# KiCad board AI_Pyramid_PCB_HDMI_V0.3_20251031.kicad_pcb
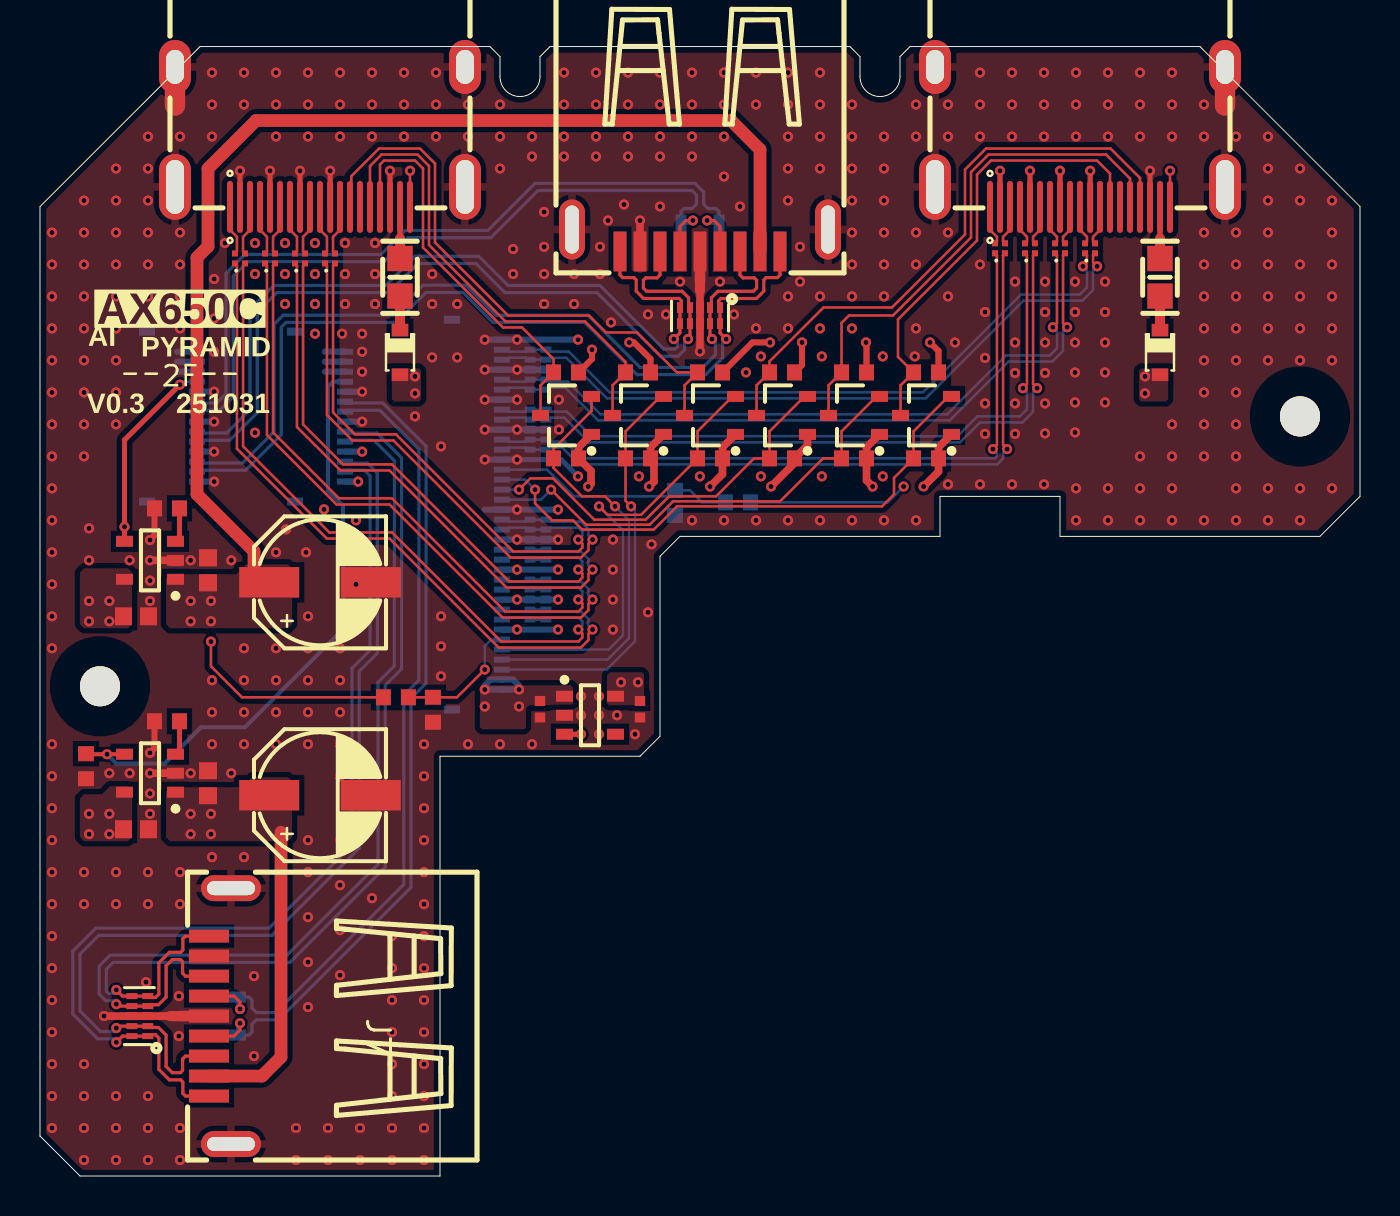
[diagram p0: board, top side]
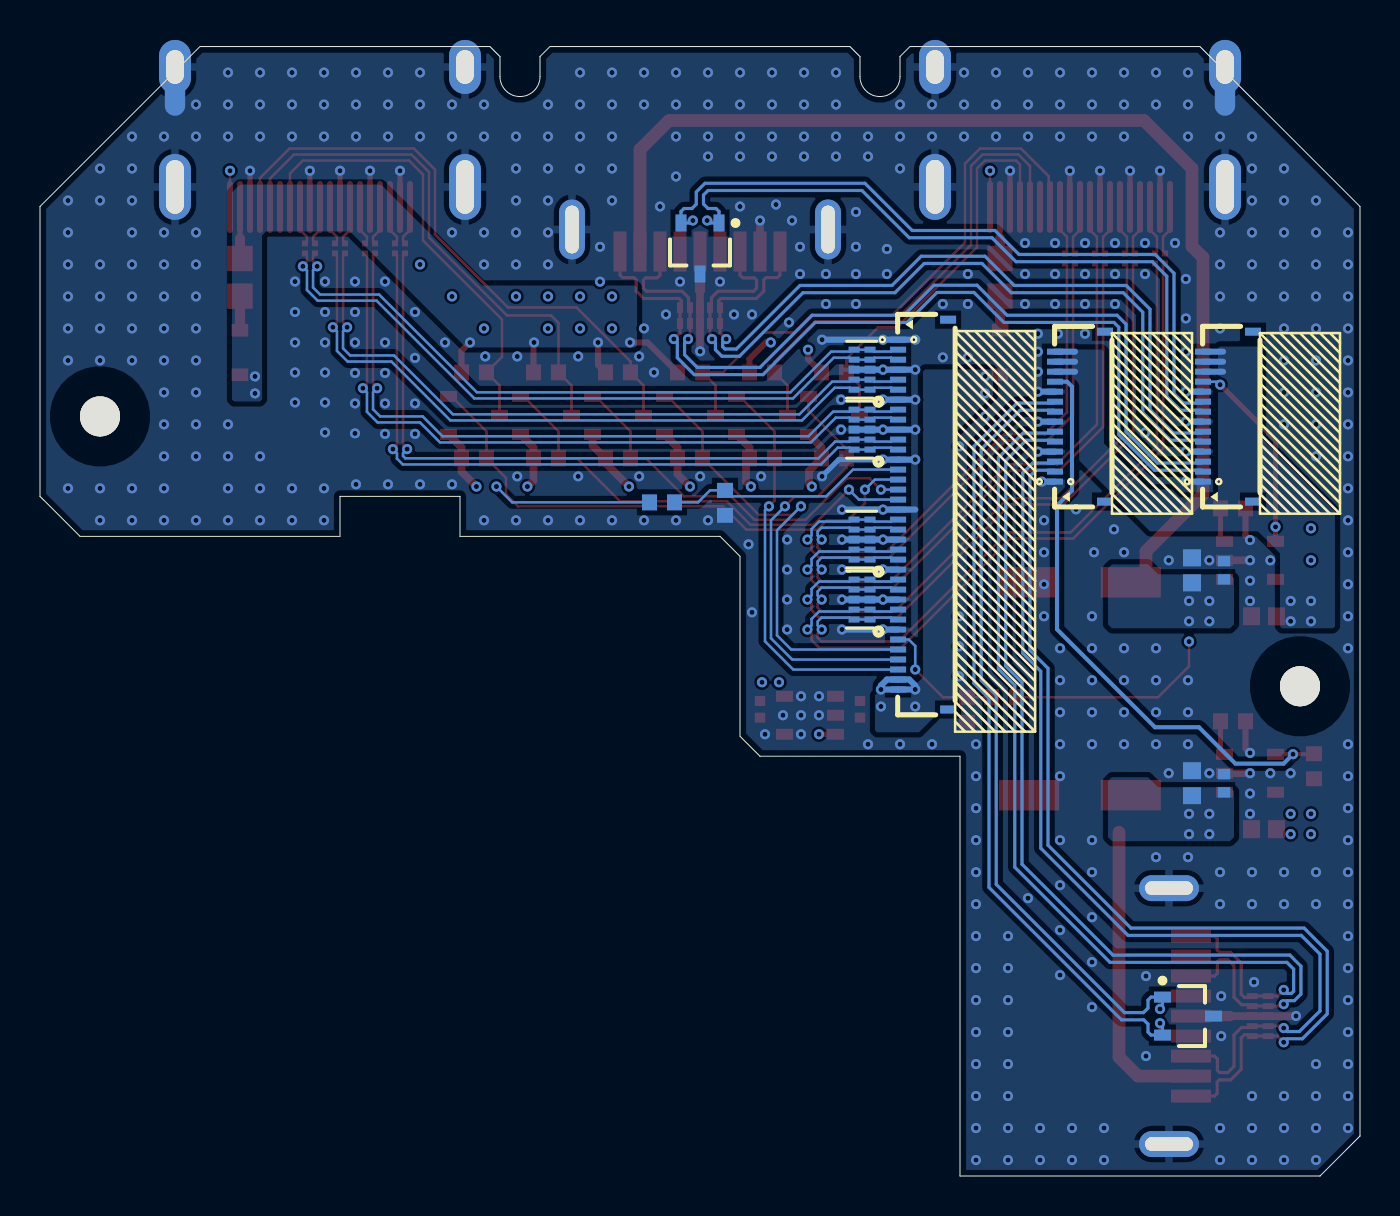
[diagram p1: board, bottom side, seen from below]

Outline 66 x 56.5 mm; copper layers: Top Layer, Layer 2, Layer 1, Bottom Layer. Coordinates in mm from the lower left corner of the outline.
Outline path: 0,48.5 8,56.5 22.5,56.5 23,56 23,55 arc(24,54) 25,55 25,56 25.5,56.5 40.5,56.5 41,56 41,55 arc(42,54) 43,55 43,56 43.5,56.5 58,56.5 66,48.5 66,34 64,32 51,32 51,34 45,34 45,32 32,32 31,31 31,22 30,21 20,21 20,0 2,0 0,2 0,48.5

## Placement (name value [footprint] x y rotation side)
C1  22uF/10V  [C0603-L-HD]  4.8 28 180 top
C2  10uF/10V  [C0402-L-HD]  6.8 30.3 90 bottom
C3  22uF 6.3V  [C0603-L-HD]  8.4 30.3 270 bottom
C4  22uF 6.3V  [C0603-L-HD]  8.4 30.3 270 top
C5  HV1C227M0607PZ/220uF/16V  [SMT_C_CYLINDER_D_6.3MM]  14 29.7 0 top
C6  1uF/25V  [C0402-HD]  25 23.35 90 top
C7  1uF/25V  [C0402-HD]  30 23.35 90 top
C8  22uF/10V  [C0603-L-HD]  4.8 17.35 180 top
C9  10uF/10V  [C0402-L-HD]  6.8 19.65 90 bottom
C10  22uF 6.3V  [C0603-L-HD]  8.4 19.65 270 top
C11  22uF 6.3V  [C0603-L-HD]  8.4 19.65 270 bottom
C12  HV1C227M0607PZ/220uF/16V  [SMT_C_CYLINDER_D_6.3MM]  14 19.05 0 top
D1  1N5819  [SMT_DIODE_SOD_323]  56 41.2 90 top
D2  1N5819  [SMT_DIODE_SOD_323]  18 41.2 90 top
F1  100mA/6V/PPTC  [SMT_FUSE_0805]  56 44.96 90 top
F2  100mA/6V/PPTC  [SMT_FUSE_0805]  18 44.96 90 top
FET1  WNM4153  [SOT-233-HD]  40.7 38.05 180 top
FET2  WNM4153  [SOT-233-HD]  44.3 38.05 180 top
FET3  WNM4153  [SOT-233-HD]  29.9 38.05 180 top
FET4  WNM4153  [SOT-233-HD]  37.1 38.05 180 top
FET5  WNM4153  [SOT-233-HD]  33.5 38.05 180 top
FET6  WNM4153  [SOT-233-HD]  26.3 38.05 180 top
J1  FH34RH-14S-0.5SH_14P/XKB_X05A10H14T  [FH34RH-14S-0.5SH_14P]  6.6 37.99 180 bottom
J2  USB3.0_TypeA_SMD  [USB-3.0-SMD_U-A-39DS-Y-1]  33 52.41 0 top
J3  HDMI_TYPE_A  [CON_HDMI_A_SMD]  52 51.98 0 top
J4  HDMI_TYPE_A  [CON_HDMI_A_SMD]  14 51.98 0 top
J5  FH34RJ-36S-0.5SH_36P/XKB_X05A10H36T  [FH34RJ-36S-0.5SH_36P]  21.55 37.56 180 bottom
J6  FH34RH-14S-0.5SH_14P/XKB_X05A10H14T  [FH34RH-14S-0.5SH_14P]  14 37.99 180 bottom
J7  USB3.0_TypeA_SMD  [USB-3.0-SMD_U-A-39DS-Y-1]  14.61 8 270 top
L1  SDMM0806H-2-900T  [SDMM0806]  48 46.41 90 top
L2  SDMM0806H-2-900T  [SDMM0806]  10 45.9 90 top
L3  SDMM0806H-2-900T  [SDMM0806]  49.5 46.41 90 top
L4  SDMM0806H-2-900T  [SDMM0806]  11.5 45.9 90 top
L5  SDMM0806H-2-900T  [SDMM0806]  51 46.41 90 top
L6  SDMM0806H-2-900T  [SDMM0806]  13 45.9 90 top
L7  SDMM0806H-2-900T  [SDMM0806]  52.5 46.41 90 top
L8  SDMM0806H-2-900T  [SDMM0806]  14.5 45.9 90 top
NOREF  -  [unnamed]  63 38 0 top
NOREF#2  -  [unnamed]  3 24.5 0 top
R1  120K/1%  [R0603-HD]  6.35 33.4 180 top
R2  4.7K/1%  [R0603-HD]  34.9 33.7 180 bottom
R3  4.7K/1%  [R0603-HD]  17.8 23.95 0 top
R4  100K/1%  [R0603-HD]  31.75 33.67 90 bottom
R5  100K/1%  [R0603-HD]  19.65 23.32 90 top
R6  1.5K/1%  [R0603-HD]  40.7 35.9 180 top
R7  1.5K/1%  [R0603-HD]  40.7 40.2 180 top
R8  1.5K/1%  [R0603-HD]  44.3 35.9 180 top
R9  1.5K/1%  [R0603-HD]  44.3 40.2 180 top
R10  1.5K/1%  [R0603-HD]  29.9 35.9 180 top
R11  1.5K/1%  [R0603-HD]  29.9 40.2 180 top
R12  1.5K/1%  [R0603-HD]  37.1 35.9 180 top
R13  1.5K/1%  [R0603-HD]  37.1 40.2 180 top
R14  1.5K/1%  [R0603-HD]  33.5 35.9 180 top
R15  1.5K/1%  [R0603-HD]  33.5 40.2 180 top
R16  1.5K/1%  [R0603-HD]  26.3 35.9 180 top
R17  1.5K/1%  [R0603-HD]  26.3 40.2 180 top
R18  120K/1%  [R0603-HD]  6.35 22.75 180 top
R19  100k  [R0603-HD]  2.3 20.5 90 top
U1  ME1502CM5G  [SOT-235-HD]  5.5 30.8 180 top
U2  PESDALC10N5VU  [R-PSON-N10]  34 42.65 180 top
U3  PESD2ETH  [SOT-233-HD]  33 46.4 270 bottom
U4  ME6211C33M5G-N  [SOT-235-HD]  27.5 23.05 0 top
U5  PESDALC10N5VU  [R-PSON-N10]  25.3 27.84 90 bottom
U6  PESDALC10N5VU  [R-PSON-N10]  25.3 36.34 90 bottom
U7  PESDALC10N5VU  [R-PSON-N10]  25.3 39.34 90 bottom
U8  PESDALC10N5VU  [R-PSON-N10]  25.3 30.84 90 bottom
U9  PESD2ETH  [SOT-233-HD]  8.6 8 180 bottom
U10  PESDALC10N5VU  [R-PSON-N10]  4.59 7 90 top
U11  ME1502CM5G  [SOT-235-HD]  5.5 20.15 180 top

## Footprints (pads in the part's own frame, mm; a bottom-side part is the same pattern mirrored in y, then rotated)
C0402-HD
  rect 0.5x0.52 smd: 1(-0.415,0) 2(0.415,0)
C0402-L-HD
  rect 0.52x0.62 smd: 1(-0.455,0) 2(0.455,0)
C0603-L-HD
  rect 0.85x0.9 smd: 1(-0.625,0) 2(0.625,0)
CON_HDMI_A_SMD
  oval 1.6x2.7 hole 0.9x1.7: 0(-7.25,3.5) 0(7.25,3.5)
  oval 1.6x3.3 hole 0.9x2.7: 0(-7.25,-2.5) 0(7.25,-2.5)
  oval 0.3x2.6 smd: 1(-4.5,-3.5) 2(-4,-3.5) 3(-3.5,-3.5) 4(-3,-3.5) 5(-2.5,-3.5) 6(-2,-3.5) 7(-1.5,-3.5) 8(-1,-3.5) 9(-0.5,-3.5) 10(0,-3.5) 11(0.508,-3.5) 12(1,-3.5) 13(1.5,-3.5) 14(2,-3.5) 15(2.5,-3.5) 16(3,-3.5) 17(3.5,-3.5) 18(4,-3.5) 19(4.5,-3.5)
FH34RH-14S-0.5SH_14P
  rect 0.8x0.3 smd: 1(-1.25,-3.25) 2(-1.25,-2.75) 3(-1.25,-2.25) 4(-1.25,-1.75) 5(-1.25,-1.25) 6(-1.25,-0.75) 7(-1.25,-0.25) 8(-1.25,0.25) 9(-1.25,0.75) 10(-1.25,1.25) 11(-1.25,1.75) 12(-1.25,2.25) 13(-1.25,2.75) 14(-1.25,3.25)
  rect 0.8x0.4 smd: 15(1.25,-4.25) 16(1.25,4.25)
FH34RJ-36S-0.5SH_36P
  rect 0.8x0.4 smd: 0(0.95,5.275) 0(0.95,-14.225)
  rect 0.8x0.3 smd: 1(-1.55,4.275) 2(-1.55,3.775) 3(-1.55,3.275) 4(-1.55,2.775) 5(-1.55,2.275) 6(-1.55,1.775) 7(-1.55,1.275) 8(-1.55,0.775) 9(-1.55,0.275) 10(-1.55,-0.225) 11(-1.55,-0.725) 12(-1.55,-1.225) 13(-1.55,-1.725) 14(-1.55,-2.225) 15(-1.55,-2.725) 16(-1.55,-3.225) 17(-1.55,-3.725) 18(-1.55,-4.225) 19(-1.55,-4.725) 20(-1.55,-5.225) 21(-1.55,-5.725) 22(-1.55,-6.225) 23(-1.55,-6.725) 24(-1.55,-7.225) 25(-1.55,-7.725) 26(-1.55,-8.225) 27(-1.55,-8.725) 28(-1.55,-9.225) 29(-1.55,-9.725) 30(-1.55,-10.225) 31(-1.55,-10.725) 32(-1.55,-11.225) 33(-1.55,-11.725) 34(-1.55,-12.225) 35(-1.55,-12.725) 36(-1.55,-13.225)
R0603-HD
  rect 0.75x0.8 smd: 1(-0.625,0) 2(0.625,0)
R-PSON-N10
  rect 0.3x0.55 smd: 1(0,-0.797) 2(0.5,-0.797) 4(1.5,-0.797) 5(2,-0.797) 6(2,0) 7(1.5,0) 9(0.5,0) 10(0,0)
  rect 0.4x0.55 smd: 3(1,-0.797) 8(1,0)
SDMM0806
  rect 0.3x0.3 smd: 1(-0.25,0.25) 2(-0.25,-0.25) 3(0.25,-0.25) 4(0.25,0.25)
SMT_C_CYLINDER_D_6.3MM
  rect 3x1.524 smd: 1(-2.54,0) 2(2.54,0)
SMT_DIODE_SOD_323
  rect 0.63x0.83 smd: 1(-1.115,0) 2(1.115,0)
SMT_FUSE_0805
  rect 1.27x1.27 smd: 1(-0.94,0) 2(0.94,0)
SOT-233-HD
  rect 0.85x0.55 smd: 1(-1.275,0.95) 2(-1.275,-0.95) 3(1.275,0)
SOT-235-HD
  rect 0.85x0.55 smd: 1(-1.275,0.95) 2(-1.275,0) 3(-1.275,-0.95) 4(1.275,-0.95) 5(1.275,0.95)
unnamed
  round 2 hole 2: 0(0,0)
USB-3.0-SMD_U-A-39DS-Y-1
  rect 0.65x2 smd: 1(3,-6.165) 2(1,-6.165) 3(-1,-6.165) 4(-3,-6.165) 5(-4,-6.165) 6(-2,-6.165) 7(0,-6.165) 8(2,-6.165) 9(4,-6.165)
  oval 1.3x3 hole 0.7x2.4: 10(-6.4,-5.065) 11(6.4,-5.065)

## Nets
GND: C1.1 C2.2 C3.1 C4.1 C5.2 C6.1 C7.1 C8.1 C9.2 C10.1 C11.1 C12.2 J1.1 J1.4 J1.7 J1.10 J2.4 J2.7 J2.10 J2.11 J3.0 J3.2 J3.5 J3.8 J3.11 J3.17 J4.0 J4.2 J4.5 J4.8 J4.11 J4.17 J5.1 J5.4 J5.7 J5.10 J5.13 J5.18 J5.21 J5.24 J5.27 J5.30 J6.1 J6.4 J6.7 J6.10 J7.4 J7.7 J7.10 J7.11 R1.2 R4.1 R5.1 R18.2 R19.1 U1.2 U2.3 U2.8 U3.3 U4.2 U5.3 U5.8 U6.3 U6.8 U7.3 U7.8 U8.3 U8.8 U9.3 U10.3 U10.8 U11.2
VDD_3V3: C7.2 FET1.1 FET2.1 FET3.1 FET4.1 FET5.1 FET6.1 R6.1 R8.1 R10.1 R12.1 R14.1 R16.1 U4.5
VDD_5V: C6.2 D1.1 D2.1 J5.35 J5.36 R7.1 R9.1 R11.1 R13.1 R15.1 R17.1 U4.1 U4.3
VDD_EXT_5V: C1.2 C8.2 J1.12 J1.13 J1.14 J6.12 J6.13 J6.14 U1.5 U11.5
DS3_PWR_EN: J1.11 U1.4
DS4_PWR_EN: J6.11 R19.2 U11.4
HDMI0_5V: F1.2 J3.18
HDMI0_CEC: FET2.2 J5.15 R8.2
HDMI0_CEC_EXT: FET2.3 J3.13 R9.2
HDMI0_CLK_E_N: J3.12 L7.3
HDMI0_CLK_E_P: J3.10 L7.4
HDMI0_CLK_N: J5.3 L7.2 U7.4 U7.7
HDMI0_CLK_P: J5.2 L7.1 U7.5 U7.6
HDMI0_D0_E_N: J3.9 L5.3
HDMI0_D0_E_P: J3.7 L5.4
HDMI0_D0_N: J5.6 L5.2 U7.1 U7.10
HDMI0_D0_P: J5.5 L5.1 U7.2 U7.9
HDMI0_D1_E_N: J3.6 L3.3
HDMI0_D1_E_P: J3.4 L3.4
HDMI0_D1_N: J5.9 L3.2 U6.4 U6.7
HDMI0_D1_P: J5.8 L3.1 U6.5 U6.6
HDMI0_D2_E_N: J3.3 L1.3
HDMI0_D2_E_P: J3.1 L1.4
HDMI0_D2_N: J5.12 L1.2 U6.1 U6.10
HDMI0_D2_P: J5.11 L1.1 U6.2 U6.9
HDMI0_HPD: J5.14 R2.2 R4.2
HDMI0_HPD_EXT: J3.19 R2.1
HDMI0_SCL: FET1.2 J5.17 R6.2
HDMI0_SCL_EXT: FET1.3 J3.15 R7.2
HDMI0_SDA: FET4.2 J5.16 R12.2
HDMI0_SDA_EXT: FET4.3 J3.16 R13.2
HDMI1_5V: F2.2 J4.18
HDMI1_CEC: FET5.2 J5.32 R14.2
HDMI1_CEC_EXT: FET5.3 J4.13 R15.2
HDMI1_CLK_E_N: J4.12 L8.3
HDMI1_CLK_E_P: J4.10 L8.4
HDMI1_CLK_N: J5.20 L8.2 U8.4 U8.7
HDMI1_CLK_P: J5.19 L8.1 U8.5 U8.6
HDMI1_D0_E_N: J4.9 L6.3
HDMI1_D0_E_P: J4.7 L6.4
HDMI1_D0_N: J5.23 L6.2 U8.1 U8.10
HDMI1_D0_P: J5.22 L6.1 U8.2 U8.9
HDMI1_D1_E_N: J4.6 L4.3
HDMI1_D1_E_P: J4.4 L4.4
HDMI1_D1_N: J5.26 L4.2 U5.4 U5.7
HDMI1_D1_P: J5.25 L4.1 U5.5 U5.6
HDMI1_D2_E_N: J4.3 L2.3
HDMI1_D2_E_P: J4.1 L2.4
HDMI1_D2_N: J5.29 L2.2 U5.1 U5.10
HDMI1_D2_P: J5.28 L2.1 U5.2 U5.9
HDMI1_HPD: J5.31 R3.2 R5.2
HDMI1_HPD_EXT: J4.19 R3.1
HDMI1_SCL: FET3.2 J5.34 R10.2
HDMI1_SCL_EXT: FET3.3 J4.15 R11.2
HDMI1_SDA: FET6.2 J5.33 R16.2
HDMI1_SDA_EXT: FET6.3 J4.16 R17.2
NetD1_2: D1.2 F1.1
NetD2_2: D2.2 F2.1
NetR1_1: R1.1 U1.3
NetR18_1: R18.1 U11.3
USB2_DS3_D0_N: J1.9 J2.2 U3.2
USB2_DS3_D0_P: J1.8 J2.3 U3.1
USB2_DS4_D0_N: J6.9 J7.2 U9.2
USB2_DS4_D0_P: J6.8 J7.3 U9.1
USB3_DS3_RX_N: J1.6 J2.5 U2.5 U2.6
USB3_DS3_RX_P: J1.5 J2.6 U2.4 U2.7
USB3_DS3_TX_N: J1.3 J2.8 U2.2 U2.9
USB3_DS3_TX_P: J1.2 J2.9 U2.1 U2.10
USB3_DS4_RX_N: J6.6 J7.5 U10.5 U10.6
USB3_DS4_RX_P: J6.5 J7.6 U10.4 U10.7
USB3_DS4_TX_N: J6.3 J7.8 U10.2 U10.9
USB3_DS4_TX_P: J6.2 J7.9 U10.1 U10.10
VUSB_DS3: C2.1 C3.2 C4.2 C5.1 J2.1 U1.1
VUSB_DS4: C9.1 C10.2 C11.2 C12.1 J7.1 U11.1

Pads without a net: J1 15 16; J3 14; J4 14; J5 0; J6 15 16; NOREF 0; NOREF#2 0; U4 4

## Via types
v1: diameter 0.508, hole 0.254, Top Layer to Bottom Layer, 587 vias

## Routing (per net, layer and track width the routed paths; a pad name or vN(x,y) marks a point on that pad's centre or on a via; arc(x,y) is an arc through that point)
GND: length 90.2
  Top Layer w0.254: J3.2 v1(48,50.29) ; J3.11 v1(52.51,50.29) ; J3.17 v1(55.5,50.29) ; J3.8 v1(51,50.29) ; J4.17 v1(17.5,50.29) ; J4.5 v1(11.5,50.29) ; J4.11 v1(14.51,50.29) ; J3.5 v1(49.5,50.29) ; J4.2 v1(10,50.29) ; J4.8 v1(13,50.29)
  Top Layer w0.305: v1(5.5,21.17) 5.73,21.39 R18.2 ; v1(5.5,31.82) 5.73,32.04 R1.2
  Top Layer w0.381: v1(5.5,30.8) U1.2 ; v1(5.5,20.15) U11.2 ; 33,41.25 U2.8 33,44.3 ; J2.4 v1(30,47.8) ; 3.2,8 U10.8 U10.3 6.5,8
  Top Layer w0.508: 33,44.3 J2.7 ; 6.5,8 J7.7
  Top Layer w1.016: 6.75,53.55 J4.0 ; 59.25,53.55 J3.0
  Layer 2 w1.016: 59.25,53.55 J3.0 ; 6.75,53.55 J4.0
  Layer 1 w1.016: 6.75,53.55 J4.0 ; 59.25,53.55 J3.0
  Bottom Layer w0.254: v1(26.9,35) 26.06,35.84 v1(23.85,35.84)
  Bottom Layer w0.305: J1.10 v1(8.71,39.24) ; J6.7 v1(16.11,37.74) ; 22.24,33.34 J5.18 v1(23.85,33.34) v1(25.9,33.34) ; J1.1 v1(8.71,34.74) ; v1(22.24,37.34) v1(23.85,37.34) U6.3 U6.8 ; v1(22.24,35.84) J5.13 v1(23.85,35.84) ; v1(22.24,40.34) J5.4 v1(23.85,40.34) U7.3 U7.8 ; v1(25.9,27.34) v1(23.85,27.34) J5.30 ; v1(25.9,30.34) v1(23.85,30.34) J5.24 ; J1.4 v1(8.71,36.24) ; J5.27 v1(23.85,28.84) U5.3 U5.8 v1(25.9,28.84) ; J6.4 v1(16.11,36.24) ; v1(22.24,41.84) J5.1 v1(23.85,41.84) v1(26.9,41.84) ; J5.21 v1(23.85,31.84) U8.3 U8.8 v1(25.9,31.84) ; v1(22.24,38.84) J5.7 v1(23.85,38.84) ; J6.1 v1(15.91,34.74) ; J6.10 v1(16.11,39.24) ; J1.7 v1(8.71,37.74)
  Bottom Layer w1.016: 59.25,53.55 J3.0 ; 6.75,53.55 J4.0
  vias: v1(0.6,47.2) v1(0.6,45.6) v1(0.6,44) v1(0.6,42.4) v1(0.6,40.8) v1(0.6,39.2) v1(0.6,37.6) v1(0.6,36) v1(0.6,34.4) v1(0.6,32.8) v1(0.6,31.2) v1(0.6,29.6) v1(0.6,28) v1(0.6,26.4) v1(0.6,21.6) v1(0.6,20) v1(0.6,18.4) v1(0.6,16.8) v1(0.6,15.2) v1(0.6,13.6) v1(0.6,12) v1(0.6,10.4) v1(0.6,8.8) v1(0.6,7.2) v1(0.6,5.6) v1(0.6,4) v1(0.6,2.4) v1(2.2,48.8) v1(2.2,47.2) v1(2.2,45.6) v1(2.2,44) v1(2.2,42.4) v1(2.2,40.8) v1(2.2,39.2) v1(2.2,37.6) v1(2.2,36) v1(2.2,15.2) v1(2.2,13.6) v1(2.2,5.6) v1(2.2,4) v1(2.2,2.4) v1(2.2,0.8) v1(2.45,32.4) v1(2.45,30.8) v1(3.2,8.01) v1(3.47,20.15) v1(3.8,50.4) v1(3.8,48.8) v1(3.8,47.2) v1(3.8,45.6) v1(3.8,44) v1(3.8,42.4) v1(3.8,40.8) v1(3.8,39.2) v1(3.8,37.6) v1(3.8,15.2) v1(3.8,13.6) v1(3.8,4) v1(3.8,2.4) v1(3.8,0.8) v1(4.48,30.8) v1(4.48,20.15) v1(5.3,9.7) v1(5.4,52) v1(5.4,50.4) v1(5.4,48.8) v1(5.4,47.2) v1(5.4,45.6) v1(5.4,44) v1(5.4,15.2) v1(5.4,13.6) v1(5.4,4) v1(5.4,2.4) v1(5.4,0.8) v1(5.5,29.78) v1(5.5,28.77) v1(5.5,19.13) v1(5.5,18.12) v1(6.94,9) v1(6.94,7) v1(7,52) v1(7,47.2) v1(7,45.6) v1(7,44) v1(7,42.4) v1(7,15.2) v1(7,13.6) v1(7,2.4) v1(7,0.8) v1(7.53,30.8) v1(7.53,20.15) v1(8.6,55.2) v1(8.6,53.6) v1(8.6,52) v1(8.6,24.8) v1(8.6,23.2) v1(8.6,21.6) v1(8.6,15.95) v1(8.71,44.87) v1(8.71,42.9) v1(8.71,41.24) v1(9.25,46.67) v1(9.56,30.8) v1(9.56,20.15) v1(10.2,55.2) v1(10.2,53.6) v1(10.2,26.4) v1(10.2,24.8) v1(10.2,23.2) v1(10.2,21.6) v1(10.2,15.95) v1(10.7,10) v1(10.7,6) v1(10.75,46.67) v1(10.75,45.12) v1(10.75,37.19) v1(11.8,55.2) v1(11.8,53.6) v1(11.8,52) v1(11.8,31.2) v1(11.8,26.4) v1(11.8,24.8) v1(11.8,23.2) v1(11.8,21.6) v1(12.25,46.67) v1(12.25,45.12) v1(12.25,43.62) v1(12.3,32.35) v1(12.8,2.4) v1(12.8,0.8) v1(13.3,31.2) v1(13.4,55.2) v1(13.4,53.6) v1(13.4,52) v1(13.4,28) v1(13.4,26.4) v1(13.4,24.8) v1(13.4,23.2) v1(13.4,21.6) v1(13.4,16.8) v1(13.4,15.2) v1(13.4,12.95) v1(13.4,10.7) v1(13.4,8.45) v1(13.75,46.67) v1(13.75,45.12) v1(13.75,43.62) v1(13.75,42.14) v1(14.2,33.35) v1(14.4,2.4) v1(14.4,0.8) v1(15,55.2) v1(15,53.6) v1(15,52) v1(15,26.4) v1(15,24.8) v1(15,23.2) v1(15,21.6) v1(15,20) v1(15,16.8) v1(15,14.55) v1(15,12.3) v1(15,10.05) v1(15.11,42.14) v1(15.25,46.67) v1(15.25,45.12) v1(15.25,43.62) v1(15.8,32.8) v1(15.8,31.2) v1(15.8,29.6) v1(15.8,28) v1(16,2.4) v1(16,0.8) v1(16.11,42.14) v1(16.11,41.24) v1(16.11,40.24) v1(16.6,55.2) v1(16.6,53.6) v1(16.6,52) v1(16.6,13.9) v1(16.75,46.67) v1(16.75,45.12) v1(16.75,43.62) v1(17.6,12) v1(17.6,10.4) v1(17.6,8.8) v1(17.6,7.2) v1(17.6,5.6) v1(17.6,4) v1(17.6,2.4) v1(17.6,0.8) v1(18.2,55.2) v1(18.2,53.6) v1(18.2,52) v1(18.75,38) v1(19.2,21.6) v1(19.2,20) v1(19.2,18.4) v1(19.2,16.8) v1(19.2,15.2) v1(19.2,13.6) v1(19.2,12) v1(19.2,10.4) v1(19.2,8.8) v1(19.2,7.2) v1(19.2,5.6) v1(19.2,4) v1(19.2,2.4) v1(19.2,0.8) v1(19.61,45.12) v1(19.61,43.62) v1(19.61,40.95) v1(19.8,55.2) v1(19.8,53.6) v1(19.8,52) v1(20.05,36.5) v1(20.05,28) v1(20.05,26.5) v1(20.05,25) v1(20.86,43.62) v1(20.86,40.95) v1(21.4,53.6) v1(21.4,52) v1(21.4,21.6) v1(23,53.6) v1(23,52) v1(23,50.4) v1(23,21.6) v1(23.66,46.37) v1(23.66,45.12) v1(24.6,52) v1(24.6,51) v1(24.6,21.6) v1(25.2,48.23) v1(25.2,46.48) v1(25.2,45.12) v1(25.2,43.62) v1(25.95,38.84) v1(25.95,37.34) v1(26.2,55.2) v1(26.2,53.6) v1(26.2,52) v1(26.2,51) v1(26.7,45.12) v1(26.7,43.62) v1(27.05,24) v1(27.05,23.05) v1(27.8,55.2) v1(27.8,53.6) v1(27.8,52) v1(27.8,51) v1(28,46.48) v1(28,45.12) v1(27.95,24) v1(27.95,23.05) v1(27.95,22.1) v1(28.4,47.8) v1(28.55,42.7) v1(28.64,31.84) v1(28.64,30.34) v1(28.64,28.84) v1(28.64,27.34) v1(28.85,23.05) v1(29.2,48.6) v1(29.4,55.2) v1(29.4,53.6) v1(29.4,52) v1(29.4,51) v1(29.75,22.1) v1(29.95,35) v1(30.4,43.1) v1(30.4,28.2) v1(30.57,31.6) v1(31,55.2) v1(31,53.6) v1(31,52) v1(31,51) v1(31,48.5) v1(31.3,43.1) v1(32,44.74) v1(32.6,55.2) v1(32.6,53.6) v1(32.6,52) v1(32.6,51) v1(32.6,32.8) v1(32.99,41.25) v1(32.99,35) v1(34,44.74) v1(34.2,55.2) v1(34.2,53.6) v1(34.2,52) v1(34.2,50) v1(34.2,32.8) v1(34.7,43.1) v1(35,48.5) v1(35.3,40.2) v1(35.8,55.2) v1(35.8,53.6) v1(35.8,42.4) v1(35.8,32.8) v1(36.04,41) v1(36.04,35) v1(37.4,55.2) v1(37.4,53.6) v1(37.4,52) v1(37.4,50.4) v1(37.4,48.8) v1(37.4,44) v1(37.4,42.4) v1(37.4,32.8) v1(38,46.48) v1(38,44.74) v1(39,55.2) v1(39,53.6) v1(39,52) v1(39,50.4) v1(39,44) v1(39,42.4) v1(39,32.8) v1(39.09,41) v1(39.09,35) v1(40.6,53.6) v1(40.6,52) v1(40.6,50.4) v1(40.6,48.8) v1(40.6,47.2) v1(40.6,45.6) v1(40.6,44) v1(40.6,42.4) v1(40.6,32.8) v1(42.14,41) v1(42.14,35) v1(42.2,52) v1(42.2,50.4) v1(42.2,48.8) v1(42.2,47.2) v1(42.2,45.6) v1(42.2,44) v1(42.2,32.8) v1(43.74,41) v1(43.8,53.6) v1(43.8,52) v1(43.8,47.2) v1(43.8,45.6) v1(43.8,42.4) v1(43.8,32.8) v1(45.4,53.6) v1(45.4,52) v1(45.4,47.2) v1(45.4,44) v1(45.4,34.6) v1(45.75,41.7) v1(47,55.2) v1(47,53.6) v1(47,52) v1(47,45.6) v1(47,34.6) v1(47.25,43.22) v1(47.25,40.93) v1(47.25,38.65) v1(47.25,37.13) v1(48.6,55.2) v1(48.6,53.6) v1(48.6,52) v1(48.6,34.6) v1(48.75,44.75) v1(48.75,41.7) v1(48.75,40.17) v1(48.75,38.65) v1(48.75,37.13) v1(50.2,55.2) v1(50.2,53.6) v1(50.2,52) v1(50.2,34.6) v1(50.25,44.75) v1(50.25,43.22) v1(50.25,41.7) v1(50.25,40.17) v1(50.25,38.65) v1(50.25,37.15) v1(51.8,55.2) v1(51.8,53.6) v1(51.8,52) v1(51.75,44.75) v1(51.75,43.22) v1(51.75,41.7) v1(51.75,40.2) v1(51.75,38.7) v1(51.75,37.2) v1(51.8,34.4) v1(51.8,32.8) v1(53.25,44.75) v1(53.25,43.22) v1(53.25,41.7) v1(53.25,40.2) v1(53.25,38.7) v1(53.4,55.2) v1(53.4,53.6) v1(53.4,52) v1(53.4,34.4) v1(53.4,32.8) v1(55,55.2) v1(55,53.6) v1(55,52) v1(55,36) v1(55,34.4) v1(55,32.8) v1(56.6,55.2) v1(56.6,53.6) v1(56.6,52) v1(56.6,37.6) v1(56.6,36) v1(56.6,34.4) v1(56.6,32.8) v1(58.2,53.6) v1(58.2,52) v1(58.2,47.2) v1(58.2,45.6) v1(58.2,44) v1(58.2,42.4) v1(58.2,40.8) v1(58.2,39.2) v1(58.2,37.6) v1(58.2,36) v1(58.2,32.8) v1(59.8,52) v1(59.8,47.2) v1(59.8,45.6) v1(59.8,44) v1(59.8,42.4) v1(59.8,40.8) v1(59.8,39.2) v1(59.8,37.6) v1(59.8,36) v1(59.8,34.4) v1(59.8,32.8) v1(61.4,52) v1(61.4,50.4) v1(61.4,48.8) v1(61.4,47.2) v1(61.4,45.6) v1(61.4,44) v1(61.4,42.4) v1(61.4,40.8) v1(61.4,34.4) v1(61.4,32.8) v1(63,50.4) v1(63,48.8) v1(63,45.6) v1(63,44) v1(63,42.4) v1(63,40.8) v1(63,34.4) v1(63,32.8) v1(64.6,48.8) v1(64.6,47.2) v1(64.6,45.6) v1(64.6,44) v1(64.6,42.4) v1(64.6,40.8) v1(64.6,34.4)